# KiCad board SmallDSPMaxi.kicad_pcb
title: SmallDSP Maxi; date: 2024-04-21; rev: 2.0; company: Till Heuer
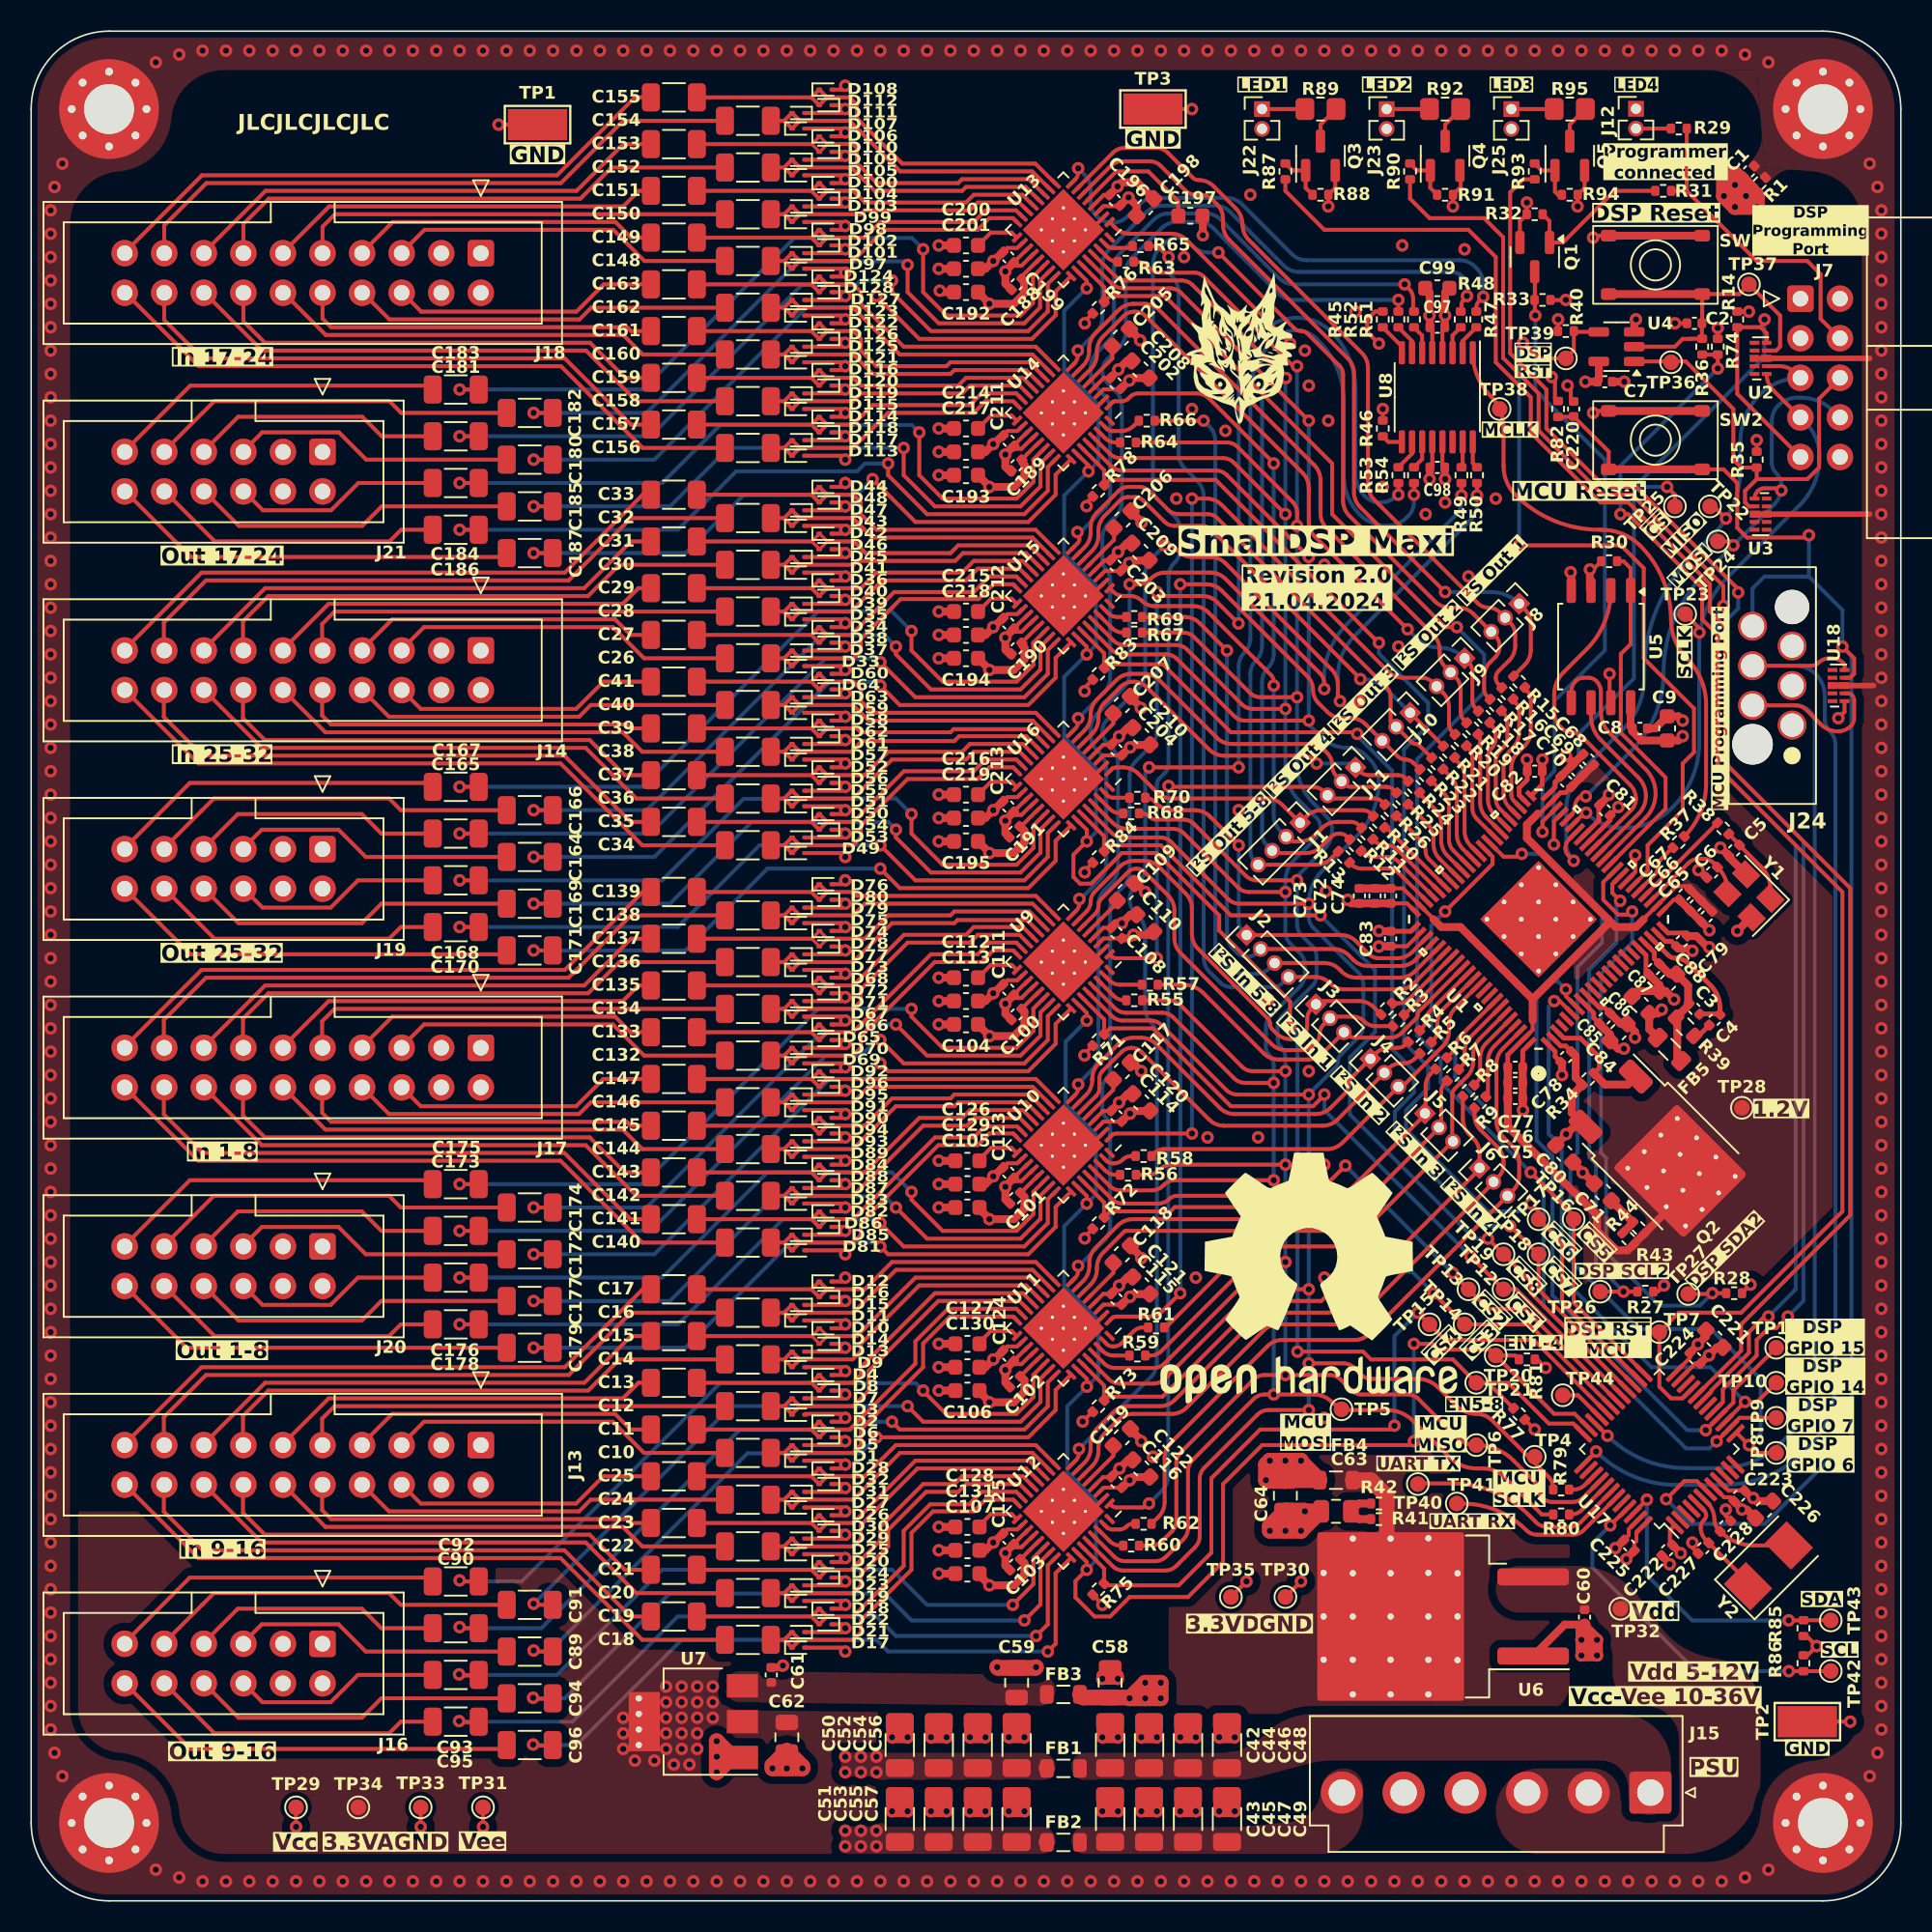
[diagram p0: board, top side]
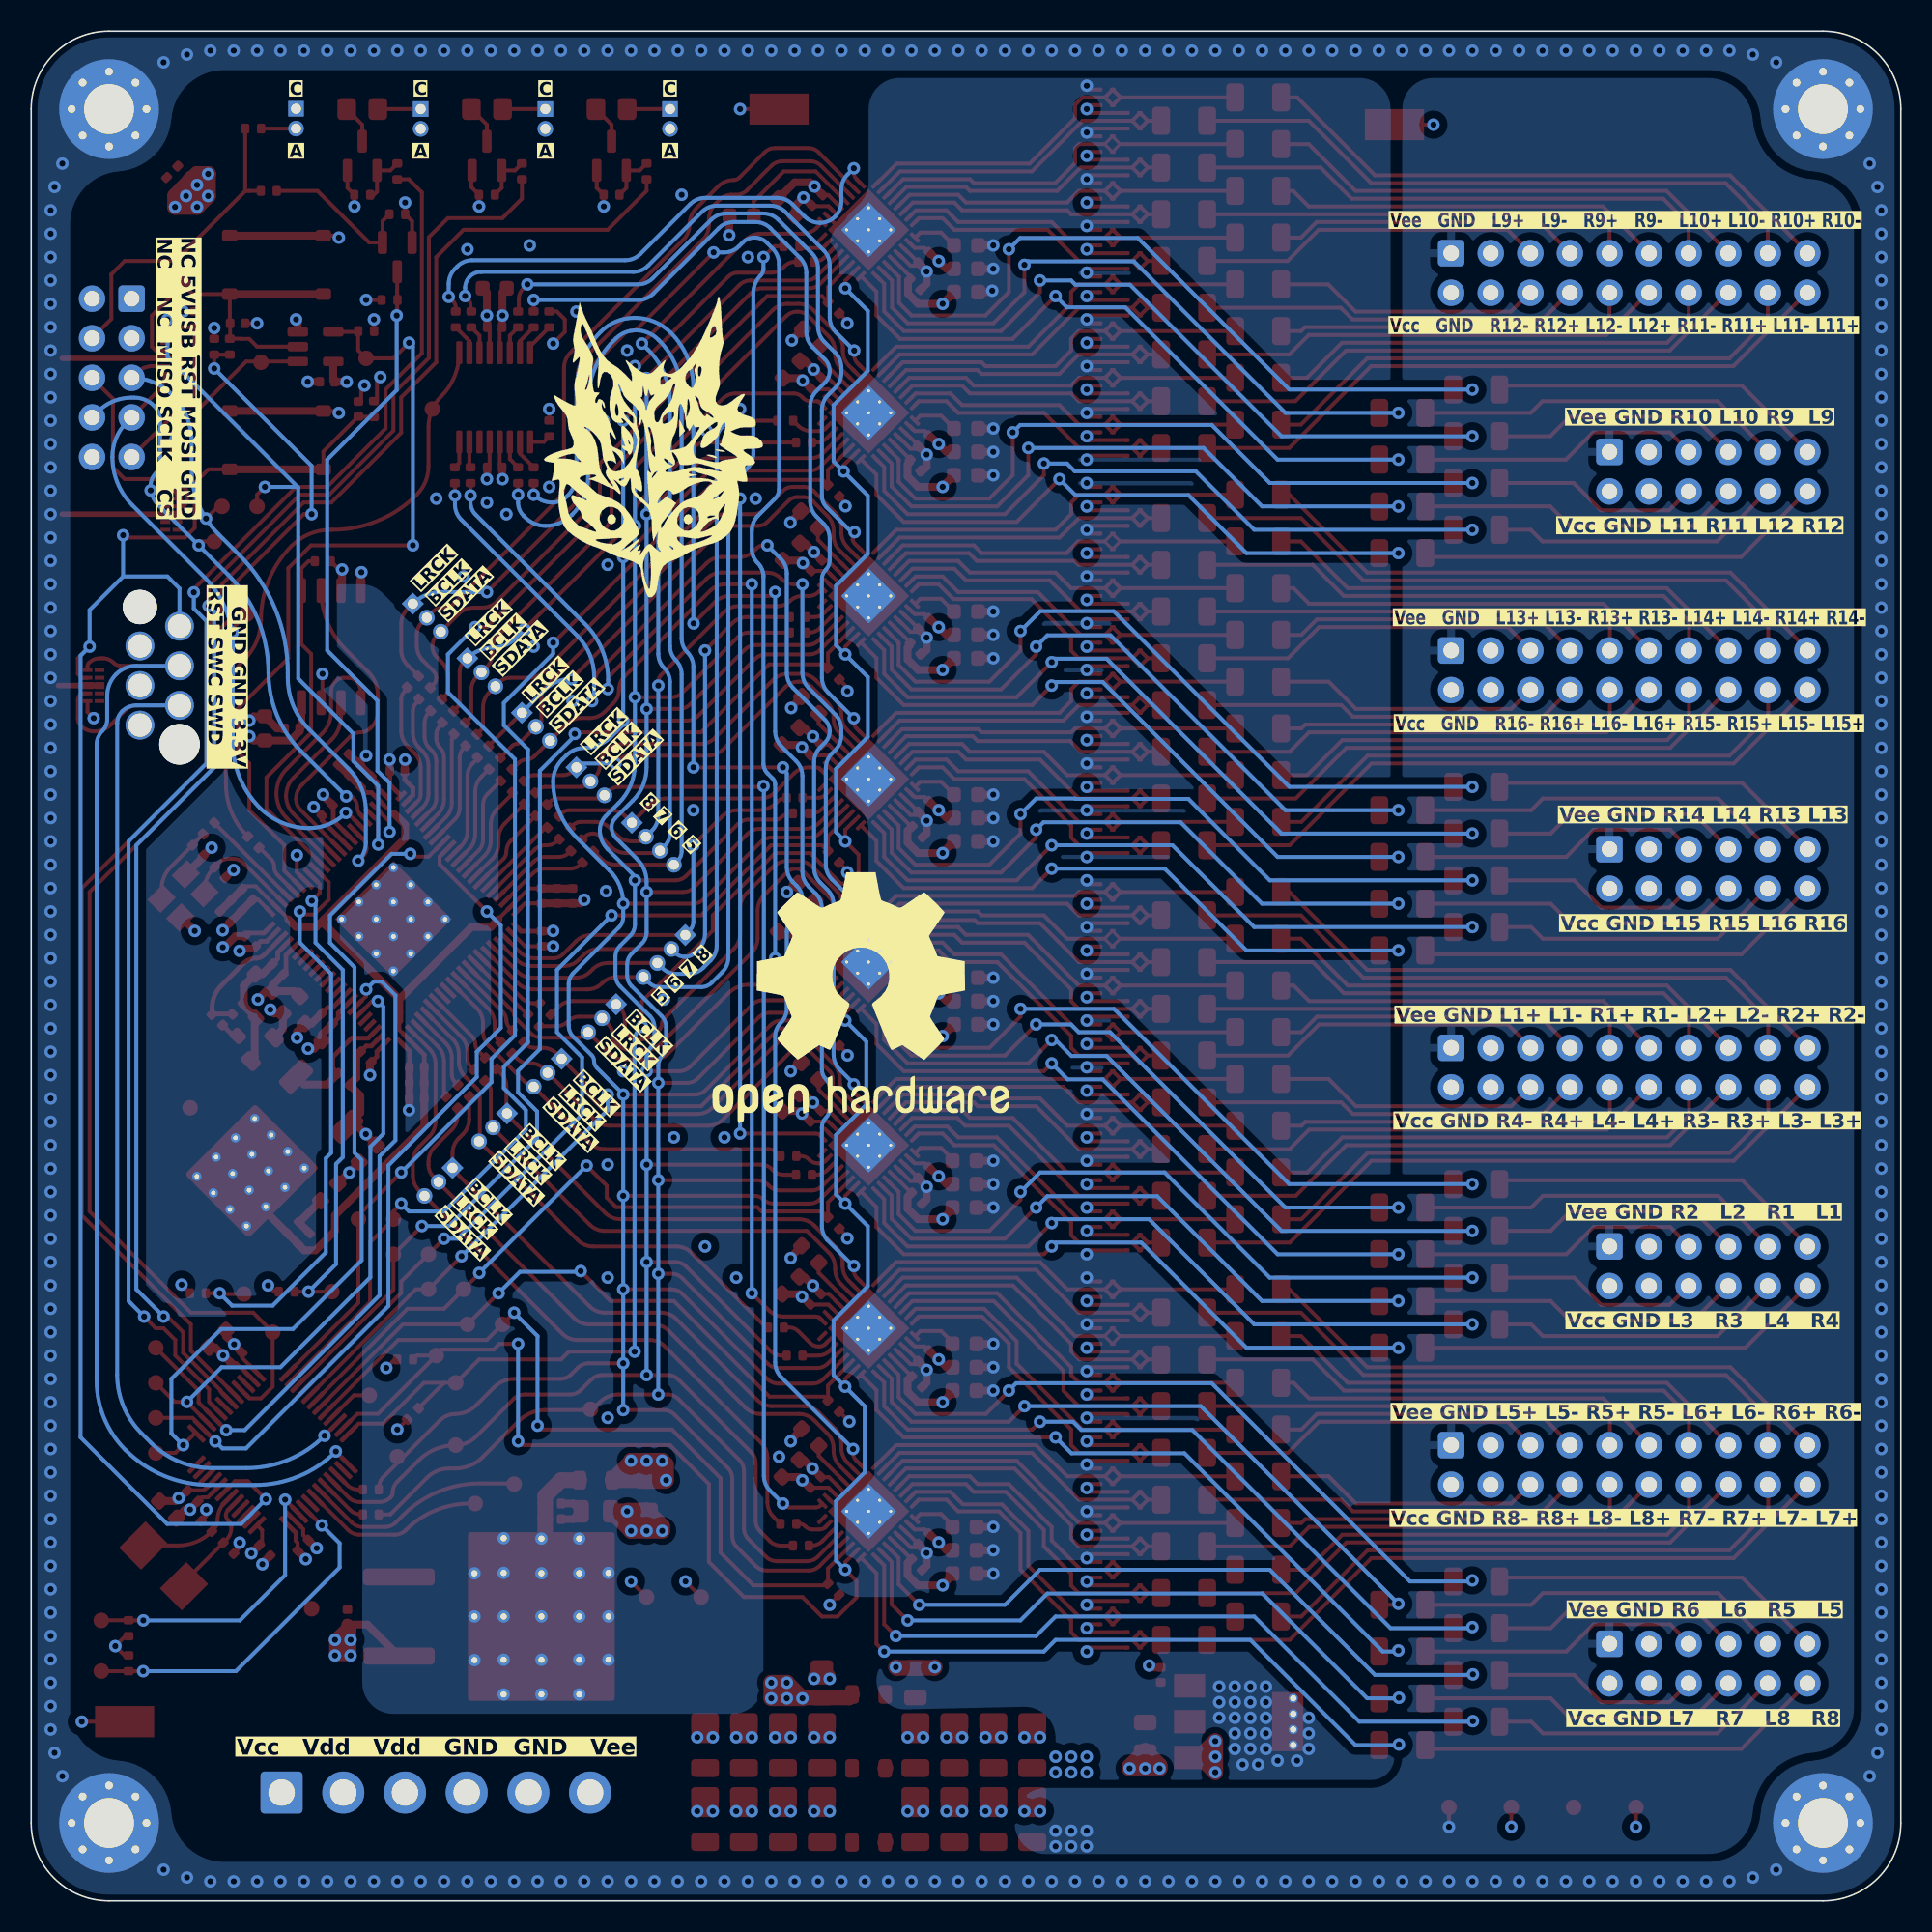
[diagram p1: board, bottom side, seen from below]

Outline 120 x 120 mm; copper layers: Top, In1.Cu (plane), In2.Cu (plane), Bottom. Coordinates in mm from the lower left corner of the outline.
Outline path: 0,115 arc(1.46,118.54) 5,120 115,120 arc(118.54,118.54) 120,115 120,5 arc(118.54,1.46) 115,0 5,0 arc(1.46,1.46) 0,5 0,115
Stack: Top 0.035mm / dielectric 0.1mm FR4 er 4.5 / In1.Cu 0.035mm / dielectric 1.24mm FR4 er 4.5 / In2.Cu 0.035mm / dielectric 0.1mm FR4 er 4.5 / Bottom 0.035mm

## Placement (name value [footprint] x y rotation side)
C1  100n  [C_0402_1005Metric]  110.25 111 225 top
C2  100n  [C_0402_1005Metric]  106.75 101.25 180 top  (not fitted)
C3  150p  [C_0402_1005Metric]  106.75 57.25 315 top
C4  5n6  [C_0402_1005Metric]  108.05 56.55 225 top
C5  27p  [C_0402_1005Metric]  109.3 67.42 225 top
C6  27p  [C_0402_1005Metric]  107.89 66.01 225 top
C7  100n  [C_0402_1005Metric]  101 97.5 0 top
C8  100n  [C_0402_1005Metric]  103.25 75.25 0 top
C9  10u  [C_0603_1608Metric]  105 75.25 90 top
C10  10u  [C_1206_3216Metric]  46 28.75 0 top
C11  10u  [C_1206_3216Metric]  41.25 30.25 0 top
C12  10u  [C_1206_3216Metric]  46 31.75 0 top
C13  10u  [C_1206_3216Metric]  41.25 33.25 0 top
C14  10u  [C_1206_3216Metric]  46 34.75 0 top
C15  10u  [C_1206_3216Metric]  41.25 36.25 0 top
C16  10u  [C_1206_3216Metric]  46 37.75 0 top
C17  10u  [C_1206_3216Metric]  41.25 39.25 0 top
C18  10u  [C_1206_3216Metric]  46 16.75 0 top
C19  10u  [C_1206_3216Metric]  41.25 18.25 0 top
C20  10u  [C_1206_3216Metric]  46 19.75 0 top
C21  10u  [C_1206_3216Metric]  41.25 21.25 0 top
C22  10u  [C_1206_3216Metric]  46 22.75 0 top
C23  10u  [C_1206_3216Metric]  41.25 24.25 0 top
C24  10u  [C_1206_3216Metric]  46 25.75 0 top
C25  10u  [C_1206_3216Metric]  41.25 27.25 0 top
C26  10u  [C_1206_3216Metric]  46 79.75 0 top
C27  10u  [C_1206_3216Metric]  41.25 81.25 0 top
C28  10u  [C_1206_3216Metric]  46 82.75 0 top
C29  10u  [C_1206_3216Metric]  41.25 84.25 0 top
C30  10u  [C_1206_3216Metric]  46 85.75 0 top
C31  10u  [C_1206_3216Metric]  41.25 87.25 0 top
C32  10u  [C_1206_3216Metric]  46 88.75 0 top
C33  10u  [C_1206_3216Metric]  41.25 90.25 0 top
C34  10u  [C_1206_3216Metric]  46 67.75 0 top
C35  10u  [C_1206_3216Metric]  41.25 69.25 0 top
C36  10u  [C_1206_3216Metric]  46 70.75 0 top
C37  10u  [C_1206_3216Metric]  41.25 72.25 0 top
C38  10u  [C_1206_3216Metric]  46 73.75 0 top
C39  10u  [C_1206_3216Metric]  41.25 75.25 0 top
C40  10u  [C_1206_3216Metric]  46 76.75 0 top
C41  10u  [C_1206_3216Metric]  41.25 78.25 0 top
C42  22u  [C_1206_3216Metric]  69.25 10 90 top
C43  22u  [C_1206_3216Metric]  69.25 5.25 90 top
C44  22u  [C_1206_3216Metric]  71.75 10 90 top
C45  22u  [C_1206_3216Metric]  71.75 5.25 90 top
C46  22u  [C_1206_3216Metric]  74.25 10 90 top
C47  22u  [C_1206_3216Metric]  74.25 5.25 90 top
C48  22u  [C_1206_3216Metric]  76.75 10 90 top
C49  22u  [C_1206_3216Metric]  76.75 5.25 90 top
C50  22u  [C_1206_3216Metric]  55.75 10 90 top
C51  22u  [C_1206_3216Metric]  55.75 5.25 90 top
C52  22u  [C_1206_3216Metric]  58.25 10 90 top
C53  22u  [C_1206_3216Metric]  58.25 5.25 90 top
C54  22u  [C_1206_3216Metric]  60.75 10 90 top
C55  22u  [C_1206_3216Metric]  60.75 5.25 90 top
C56  22u  [C_1206_3216Metric]  63.25 10 90 top
C57  22u  [C_1206_3216Metric]  63.25 5.25 90 top
C58  22u  [C_0805_2012Metric]  69.25 14 90 top
C59  22u  [C_0805_2012Metric]  63.25 14 90 top
C60  100n  [C_0402_1005Metric]  99.7 18.21 270 top
C61  100n  [C_0402_1005Metric]  47.5 14.5 90 top
C62  22u  [C_0805_2012Metric]  48.5 10.5 270 top
C63  22u  [C_0805_2012Metric]  83.75 25 180 top
C64  22u  [C_0805_2012Metric]  80.5 26 270 top
C65  1u  [C_0402_1005Metric]  107.53 63.18 225 top
C66  100n  [C_0402_1005Metric]  106.83 63.88 225 top
C67  10n  [C_0402_1005Metric]  106.12 64.59 225 top
C68  1u  [C_0402_1005Metric]  99.95 73.25 135 top
C69  100n  [C_0402_1005Metric]  99.22 72.55 135 top
C70  10n  [C_0402_1005Metric]  98.52 71.84 135 top
C71  10u  [C_0603_1608Metric]  100.87 45.48 135 top
C72  1u  [C_0402_1005Metric]  85.25 64.5 270 top
C73  100n  [C_0402_1005Metric]  86.25 64.5 270 top
C74  10n  [C_0402_1005Metric]  87.25 64.5 270 top
C75  1u  [C_0402_1005Metric]  95.25 51.5 0 top
C76  100n  [C_0402_1005Metric]  95.25 52.5 0 top
C77  10n  [C_0402_1005Metric]  95.25 53.5 0 top
C78  100n  [C_0402_1005Metric]  98.52 54.16 225 top
C79  100n  [C_0402_1005Metric]  105.94 61.59 225 top
C80  10u  [C_0603_1608Metric]  98.4 47.96 315 top
C81  100n  [C_0402_1005Metric]  101 70 315 top
C82  100n  [C_0402_1005Metric]  96.5 72.5 0 top
C83  100n  [C_0402_1005Metric]  87.25 61.75 90 top
C84  10u  [C_0603_1608Metric]  101.88 55.75 225 top
C85  100n  [C_0402_1005Metric]  100.99 56.64 225 top
C86  10u  [C_0603_1608Metric]  103.3 57.5 135 top
C87  100n  [C_0402_1005Metric]  104.16 59.8 225 top
C88  10u  [C_0603_1608Metric]  105.06 58.93 225 top
C89  10u  [C_1206_3216Metric]  32 16 0 top
C90  10u  [C_1206_3216Metric]  27.25 17.5 0 top
C91  10u  [C_1206_3216Metric]  32 19 0 top
C92  10u  [C_1206_3216Metric]  27.25 20.5 0 top
C93  10u  [C_1206_3216Metric]  27.25 14.5 0 top
C94  10u  [C_1206_3216Metric]  32 13 0 top
C95  10u  [C_1206_3216Metric]  27.25 11.5 0 top
C96  10u  [C_1206_3216Metric]  32 10 0 top
C97  100n  [C_0402_1005Metric]  90.25 101 180 top
C98  100n  [C_0402_1005Metric]  90.25 92 180 top
C99  10u  [C_0603_1608Metric]  90.25 103.5 180 top
C100  100n  [C_0402_1005Metric]  63.24 56.89 225 top
C101  100n  [C_0402_1005Metric]  63.15 45.1 225 top
C102  100n  [C_0402_1005Metric]  63.14 33.32 225 top
C103  100n  [C_0402_1005Metric]  63.15 21.58 225 top
C104  10u  [C_0603_1608Metric]  60 56.25 180 top
C105  10u  [C_0603_1608Metric]  60.09 44.5 180 top
C106  10u  [C_0603_1608Metric]  60.09 32.75 180 top
C107  10u  [C_0603_1608Metric]  60.09 21 180 top
C108  100n  [C_0402_1005Metric]  69.66 62.12 135 top
C109  4u7  [C_0603_1608Metric]  70.25 64.75 45 top
C110  10u  [C_0603_1608Metric]  71.5 62.75 135 top
C111  100n  [C_0402_1005Metric]  62.71 58.48 315 top
C112  4u7  [C_0603_1608Metric]  60 59.25 180 top
C113  10u  [C_0603_1608Metric]  60 57.75 180 top
C114  100n  [C_0402_1005Metric]  69.66 50.37 135 top
C115  100n  [C_0402_1005Metric]  69.66 38.62 135 top
C116  100n  [C_0402_1005Metric]  69.66 26.87 135 top
C117  4u7  [C_0603_1608Metric]  70 53.25 45 top
C118  4u7  [C_0603_1608Metric]  70 41.5 45 top
C119  4u7  [C_0603_1608Metric]  70 29.75 45 top
C120  10u  [C_0603_1608Metric]  71.25 51.25 135 top
C121  10u  [C_0603_1608Metric]  71.25 39.5 135 top
C122  10u  [C_0603_1608Metric]  71.25 27.75 135 top
C123  100n  [C_0402_1005Metric]  62.71 46.73 315 top
C124  100n  [C_0402_1005Metric]  62.71 34.98 315 top
C125  100n  [C_0402_1005Metric]  62.71 23.23 315 top
C126  4u7  [C_0603_1608Metric]  60.09 47.5 180 top
C127  4u7  [C_0603_1608Metric]  60.09 35.75 180 top
C128  4u7  [C_0603_1608Metric]  60.09 24 180 top
C129  10u  [C_0603_1608Metric]  60.09 46 180 top
C130  10u  [C_0603_1608Metric]  60.09 34.25 180 top
C131  10u  [C_0603_1608Metric]  60.09 22.5 180 top
C132  10u  [C_1206_3216Metric]  46 54.25 0 top
C133  10u  [C_1206_3216Metric]  41.25 55.75 0 top
C134  10u  [C_1206_3216Metric]  46 57.25 0 top
C135  10u  [C_1206_3216Metric]  41.25 58.75 0 top
C136  10u  [C_1206_3216Metric]  46 60.25 0 top
C137  10u  [C_1206_3216Metric]  41.25 61.75 0 top
C138  10u  [C_1206_3216Metric]  46 63.25 0 top
C139  10u  [C_1206_3216Metric]  41.25 64.75 0 top
C140  10u  [C_1206_3216Metric]  46 42.25 0 top
C141  10u  [C_1206_3216Metric]  41.25 43.75 0 top
C142  10u  [C_1206_3216Metric]  46 45.25 0 top
C143  10u  [C_1206_3216Metric]  41.25 46.75 0 top
C144  10u  [C_1206_3216Metric]  46 48.25 0 top
C145  10u  [C_1206_3216Metric]  41.25 49.75 0 top
C146  10u  [C_1206_3216Metric]  46 51.25 0 top
C147  10u  [C_1206_3216Metric]  41.25 52.75 0 top
C148  10u  [C_1206_3216Metric]  46 105.25 0 top
C149  10u  [C_1206_3216Metric]  41.25 106.75 0 top
C150  10u  [C_1206_3216Metric]  46 108.25 0 top
C151  10u  [C_1206_3216Metric]  41.25 109.75 0 top
C152  10u  [C_1206_3216Metric]  46 111.25 0 top
C153  10u  [C_1206_3216Metric]  41.25 112.75 0 top
C154  10u  [C_1206_3216Metric]  46 114.25 0 top
C155  10u  [C_1206_3216Metric]  41.25 115.75 0 top
C156  10u  [C_1206_3216Metric]  46 93.25 0 top
C157  10u  [C_1206_3216Metric]  41.25 94.75 0 top
C158  10u  [C_1206_3216Metric]  46 96.25 0 top
C159  10u  [C_1206_3216Metric]  41.25 97.75 0 top
C160  10u  [C_1206_3216Metric]  46 99.25 0 top
C161  10u  [C_1206_3216Metric]  41.25 100.75 0 top
C162  10u  [C_1206_3216Metric]  46 102.25 0 top
C163  10u  [C_1206_3216Metric]  41.25 103.75 0 top
C164  10u  [C_1206_3216Metric]  32 67 0 top
C165  10u  [C_1206_3216Metric]  27.25 68.5 0 top
C166  10u  [C_1206_3216Metric]  32 70 0 top
C167  10u  [C_1206_3216Metric]  27.25 71.5 0 top
C168  10u  [C_1206_3216Metric]  27.25 65.5 0 top
C169  10u  [C_1206_3216Metric]  32 64 0 top
C170  10u  [C_1206_3216Metric]  27.25 62.5 0 top
C171  10u  [C_1206_3216Metric]  32 61 0 top
C172  10u  [C_1206_3216Metric]  32 41.5 0 top
C173  10u  [C_1206_3216Metric]  27.25 43 0 top
C174  10u  [C_1206_3216Metric]  32 44.5 0 top
C175  10u  [C_1206_3216Metric]  27.25 46 0 top
C176  10u  [C_1206_3216Metric]  27.25 40 0 top
C177  10u  [C_1206_3216Metric]  32 38.5 0 top
C178  10u  [C_1206_3216Metric]  27.25 37 0 top
C179  10u  [C_1206_3216Metric]  32 35.5 0 top
C180  10u  [C_1206_3216Metric]  32 92.5 0 top
C181  10u  [C_1206_3216Metric]  27.25 94 0 top
C182  10u  [C_1206_3216Metric]  32 95.5 0 top
C183  10u  [C_1206_3216Metric]  27.25 97 0 top
C184  10u  [C_1206_3216Metric]  27.25 91 0 top
C185  10u  [C_1206_3216Metric]  32 89.5 0 top
C186  10u  [C_1206_3216Metric]  27.25 88 0 top
C187  10u  [C_1206_3216Metric]  32 86.5 0 top
C188  100n  [C_0402_1005Metric]  63.25 103.75 225 top
C189  100n  [C_0402_1005Metric]  63.24 92.14 225 top
C190  100n  [C_0402_1005Metric]  63.24 80.39 225 top
C191  100n  [C_0402_1005Metric]  63.11 68.61 225 top
C192  10u  [C_0603_1608Metric]  60 103.25 180 top
C193  10u  [C_0603_1608Metric]  60 91.5 180 top
C194  10u  [C_0603_1608Metric]  60 79.75 180 top
C195  10u  [C_0603_1608Metric]  60 68 180 top
C196  100n  [C_0402_1005Metric]  69.55 109.15 135 top
C197  4u7  [C_0603_1608Metric]  74.4 108.15 0 top
C198  10u  [C_0603_1608Metric]  71.5 108.7 45 top
C199  100n  [C_0402_1005Metric]  62.71 105.48 315 top
C200  4u7  [C_0603_1608Metric]  60 106.25 180 top
C201  10u  [C_0603_1608Metric]  60 104.75 180 top
C202  100n  [C_0402_1005Metric]  69.6 97.4 135 top
C203  100n  [C_0402_1005Metric]  69.6 85.7 135 top
C204  100n  [C_0402_1005Metric]  69.66 73.87 135 top
C205  4u7  [C_0603_1608Metric]  69.94 100.33 45 top
C206  4u7  [C_0603_1608Metric]  70.05 88.66 45 top
C207  4u7  [C_0603_1608Metric]  70 76.75 45 top
C208  10u  [C_0603_1608Metric]  71.19 98.28 135 top
C209  10u  [C_0603_1608Metric]  71.19 86.58 135 top
C210  10u  [C_0603_1608Metric]  71.25 74.75 135 top
C211  100n  [C_0402_1005Metric]  62.74 93.71 315 top
C212  100n  [C_0402_1005Metric]  62.71 81.98 315 top
C213  100n  [C_0402_1005Metric]  62.71 70.23 315 top
C214  4u7  [C_0603_1608Metric]  60 94.5 180 top
C215  4u7  [C_0603_1608Metric]  60 82.75 180 top
C216  4u7  [C_0603_1608Metric]  60 71 180 top
C217  10u  [C_0603_1608Metric]  60 93 180 top
C218  10u  [C_0603_1608Metric]  60 81.25 180 top
C219  10u  [C_0603_1608Metric]  60 69.5 180 top
C220  100n  [C_0402_1005Metric]  99 95.75 270 top
C221  10u  [C_0603_1608Metric]  108.04 36.07 315 top
C222  100n  [C_0402_1005Metric]  105 22.5 45 top
C223  100n  [C_0402_1005Metric]  109.63 25.99 45 top
C224  100n  [C_0402_1005Metric]  106.8 34.83 135 top
C225  100n  [C_0402_1005Metric]  102.56 22.81 315 top
C226  10u  [C_0603_1608Metric]  111.22 25.11 225 top
C227  27p  [C_0402_1005Metric]  107.33 22.64 225 top
C228  27p  [C_0402_1005Metric]  108.74 24.05 45 top
D1  RB521CS-30  [D_SOD-923]  49.25 28.25 0 top
D2  RB521CS-30  [D_SOD-923]  51 30.75 0 top
D3  RB521CS-30  [D_SOD-923]  49.25 31.2 0 top
D4  RB521CS-30  [D_SOD-923]  51 33.75 0 top
D5  RB521CS-30  [D_SOD-923]  49.25 29.25 180 top
D6  RB521CS-30  [D_SOD-923]  51 29.75 180 top
D7  RB521CS-30  [D_SOD-923]  49.25 32.25 180 top
D8  RB521CS-30  [D_SOD-923]  51 32.75 180 top
D9  RB521CS-30  [D_SOD-923]  49.25 34.25 0 top
D10  RB521CS-30  [D_SOD-923]  51 36.75 0 top
D11  RB521CS-30  [D_SOD-923]  49.25 37.25 0 top
D12  RB521CS-30  [D_SOD-923]  51 39.75 0 top
D13  RB521CS-30  [D_SOD-923]  49.25 35.25 180 top
D14  RB521CS-30  [D_SOD-923]  51 35.75 180 top
D15  RB521CS-30  [D_SOD-923]  49.25 38.25 180 top
D16  RB521CS-30  [D_SOD-923]  51 38.75 180 top
D17  RB521CS-30  [D_SOD-923]  49.25 16.25 0 top
D18  RB521CS-30  [D_SOD-923]  51 18.75 0 top
D19  RB521CS-30  [D_SOD-923]  49.25 19.25 0 top
D20  RB521CS-30  [D_SOD-923]  51 21.75 0 top
D21  RB521CS-30  [D_SOD-923]  49.25 17.25 180 top
D22  RB521CS-30  [D_SOD-923]  51 17.75 180 top
D23  RB521CS-30  [D_SOD-923]  49.25 20.25 180 top
D24  RB521CS-30  [D_SOD-923]  51 20.75 180 top
D25  RB521CS-30  [D_SOD-923]  49.25 22.25 0 top
D26  RB521CS-30  [D_SOD-923]  51 24.75 0 top
D27  RB521CS-30  [D_SOD-923]  49.25 25.25 0 top
D28  RB521CS-30  [D_SOD-923]  51 27.75 0 top
D29  RB521CS-30  [D_SOD-923]  49.25 23.25 180 top
D30  RB521CS-30  [D_SOD-923]  51 23.75 180 top
D31  RB521CS-30  [D_SOD-923]  49.25 26.25 180 top
D32  RB521CS-30  [D_SOD-923]  51 26.75 180 top
D33  RB521CS-30  [D_SOD-923]  49.25 79.25 0 top
D34  RB521CS-30  [D_SOD-923]  51 81.75 0 top
D35  RB521CS-30  [D_SOD-923]  49.25 82.25 0 top
D36  RB521CS-30  [D_SOD-923]  51 84.75 0 top
D37  RB521CS-30  [D_SOD-923]  49.25 80.25 180 top
D38  RB521CS-30  [D_SOD-923]  51 80.75 180 top
D39  RB521CS-30  [D_SOD-923]  49.25 83.25 180 top
D40  RB521CS-30  [D_SOD-923]  51 83.75 180 top
D41  RB521CS-30  [D_SOD-923]  49.25 85.25 0 top
D42  RB521CS-30  [D_SOD-923]  51 87.75 0 top
D43  RB521CS-30  [D_SOD-923]  49.25 88.25 0 top
D44  RB521CS-30  [D_SOD-923]  51 90.75 0 top
D45  RB521CS-30  [D_SOD-923]  49.25 86.25 180 top
D46  RB521CS-30  [D_SOD-923]  51 86.75 180 top
D47  RB521CS-30  [D_SOD-923]  49.25 89.25 180 top
D48  RB521CS-30  [D_SOD-923]  51 89.75 180 top
D49  RB521CS-30  [D_SOD-923]  49.25 67.25 0 top
D50  RB521CS-30  [D_SOD-923]  51 69.75 0 top
D51  RB521CS-30  [D_SOD-923]  49.25 70.25 0 top
D52  RB521CS-30  [D_SOD-923]  51 72.75 0 top
D53  RB521CS-30  [D_SOD-923]  49.25 68.25 180 top
D54  RB521CS-30  [D_SOD-923]  51 68.75 180 top
D55  RB521CS-30  [D_SOD-923]  49.25 71.25 180 top
D56  RB521CS-30  [D_SOD-923]  51 71.75 180 top
D57  RB521CS-30  [D_SOD-923]  49.25 73.25 0 top
D58  RB521CS-30  [D_SOD-923]  51 75.75 0 top
D59  RB521CS-30  [D_SOD-923]  49.25 76.25 0 top
D60  RB521CS-30  [D_SOD-923]  51 78.75 0 top
D61  RB521CS-30  [D_SOD-923]  49.25 74.25 180 top
D62  RB521CS-30  [D_SOD-923]  51 74.75 180 top
D63  RB521CS-30  [D_SOD-923]  49.25 77.25 180 top
D64  RB521CS-30  [D_SOD-923]  51 77.75 180 top
D65  RB521CS-30  [D_SOD-923]  49.25 53.75 0 top
D66  RB521CS-30  [D_SOD-923]  51 56.25 0 top
D67  RB521CS-30  [D_SOD-923]  49.25 56.75 0 top
D68  RB521CS-30  [D_SOD-923]  51 59.25 0 top
D69  RB521CS-30  [D_SOD-923]  49.25 54.75 180 top
D70  RB521CS-30  [D_SOD-923]  51 55.25 180 top
D71  RB521CS-30  [D_SOD-923]  49.25 57.75 180 top
D72  RB521CS-30  [D_SOD-923]  51 58.25 180 top
D73  RB521CS-30  [D_SOD-923]  49.25 59.75 0 top
D74  RB521CS-30  [D_SOD-923]  51 62.25 0 top
D75  RB521CS-30  [D_SOD-923]  49.25 62.75 0 top
D76  RB521CS-30  [D_SOD-923]  51 65.25 0 top
D77  RB521CS-30  [D_SOD-923]  49.25 60.75 180 top
D78  RB521CS-30  [D_SOD-923]  51 61.25 180 top
D79  RB521CS-30  [D_SOD-923]  49.25 63.75 180 top
D80  RB521CS-30  [D_SOD-923]  51 64.25 180 top
D81  RB521CS-30  [D_SOD-923]  49.25 41.75 0 top
D82  RB521CS-30  [D_SOD-923]  51 44.25 0 top
D83  RB521CS-30  [D_SOD-923]  49.25 44.75 0 top
D84  RB521CS-30  [D_SOD-923]  51 47.25 0 top
D85  RB521CS-30  [D_SOD-923]  49.25 42.75 180 top
D86  RB521CS-30  [D_SOD-923]  51 43.25 180 top
D87  RB521CS-30  [D_SOD-923]  49.25 45.75 180 top
D88  RB521CS-30  [D_SOD-923]  51 46.25 180 top
D89  RB521CS-30  [D_SOD-923]  49.25 47.75 0 top
D90  RB521CS-30  [D_SOD-923]  51 50.25 0 top
D91  RB521CS-30  [D_SOD-923]  49.25 50.75 0 top
D92  RB521CS-30  [D_SOD-923]  51 53.25 0 top
D93  RB521CS-30  [D_SOD-923]  49.25 48.75 180 top
D94  RB521CS-30  [D_SOD-923]  51 49.25 180 top
D95  RB521CS-30  [D_SOD-923]  49.25 51.75 180 top
D96  RB521CS-30  [D_SOD-923]  51 52.25 180 top
D97  RB521CS-30  [D_SOD-923]  49.25 104.75 0 top
D98  RB521CS-30  [D_SOD-923]  51 107.25 0 top
D99  RB521CS-30  [D_SOD-923]  49.25 107.75 0 top
D100  RB521CS-30  [D_SOD-923]  51 110.25 0 top
D101  RB521CS-30  [D_SOD-923]  49.25 105.75 180 top
D102  RB521CS-30  [D_SOD-923]  51 106.25 180 top
D103  RB521CS-30  [D_SOD-923]  49.25 108.75 180 top
D104  RB521CS-30  [D_SOD-923]  51 109.25 180 top
D105  RB521CS-30  [D_SOD-923]  49.25 110.75 0 top
D106  RB521CS-30  [D_SOD-923]  51 113.25 0 top
D107  RB521CS-30  [D_SOD-923]  49.25 113.75 0 top
D108  RB521CS-30  [D_SOD-923]  51 116.25 0 top
D109  RB521CS-30  [D_SOD-923]  49.25 111.75 180 top
D110  RB521CS-30  [D_SOD-923]  51 112.25 180 top
D111  RB521CS-30  [D_SOD-923]  49.25 114.75 180 top
D112  RB521CS-30  [D_SOD-923]  51 115.25 180 top
D113  RB521CS-30  [D_SOD-923]  49.25 92.75 0 top
D114  RB521CS-30  [D_SOD-923]  51 95.25 0 top
D115  RB521CS-30  [D_SOD-923]  49.25 95.75 0 top
D116  RB521CS-30  [D_SOD-923]  51 98.25 0 top
D117  RB521CS-30  [D_SOD-923]  49.25 93.75 180 top
D118  RB521CS-30  [D_SOD-923]  51 94.25 180 top
D119  RB521CS-30  [D_SOD-923]  49.25 96.75 180 top
D120  RB521CS-30  [D_SOD-923]  51 97.25 180 top
D121  RB521CS-30  [D_SOD-923]  49.25 98.75 0 top
D122  RB521CS-30  [D_SOD-923]  51 101.25 0 top
D123  RB521CS-30  [D_SOD-923]  49.25 101.75 0 top